# Allegro board buddy_lay_rev1.brd (continued)
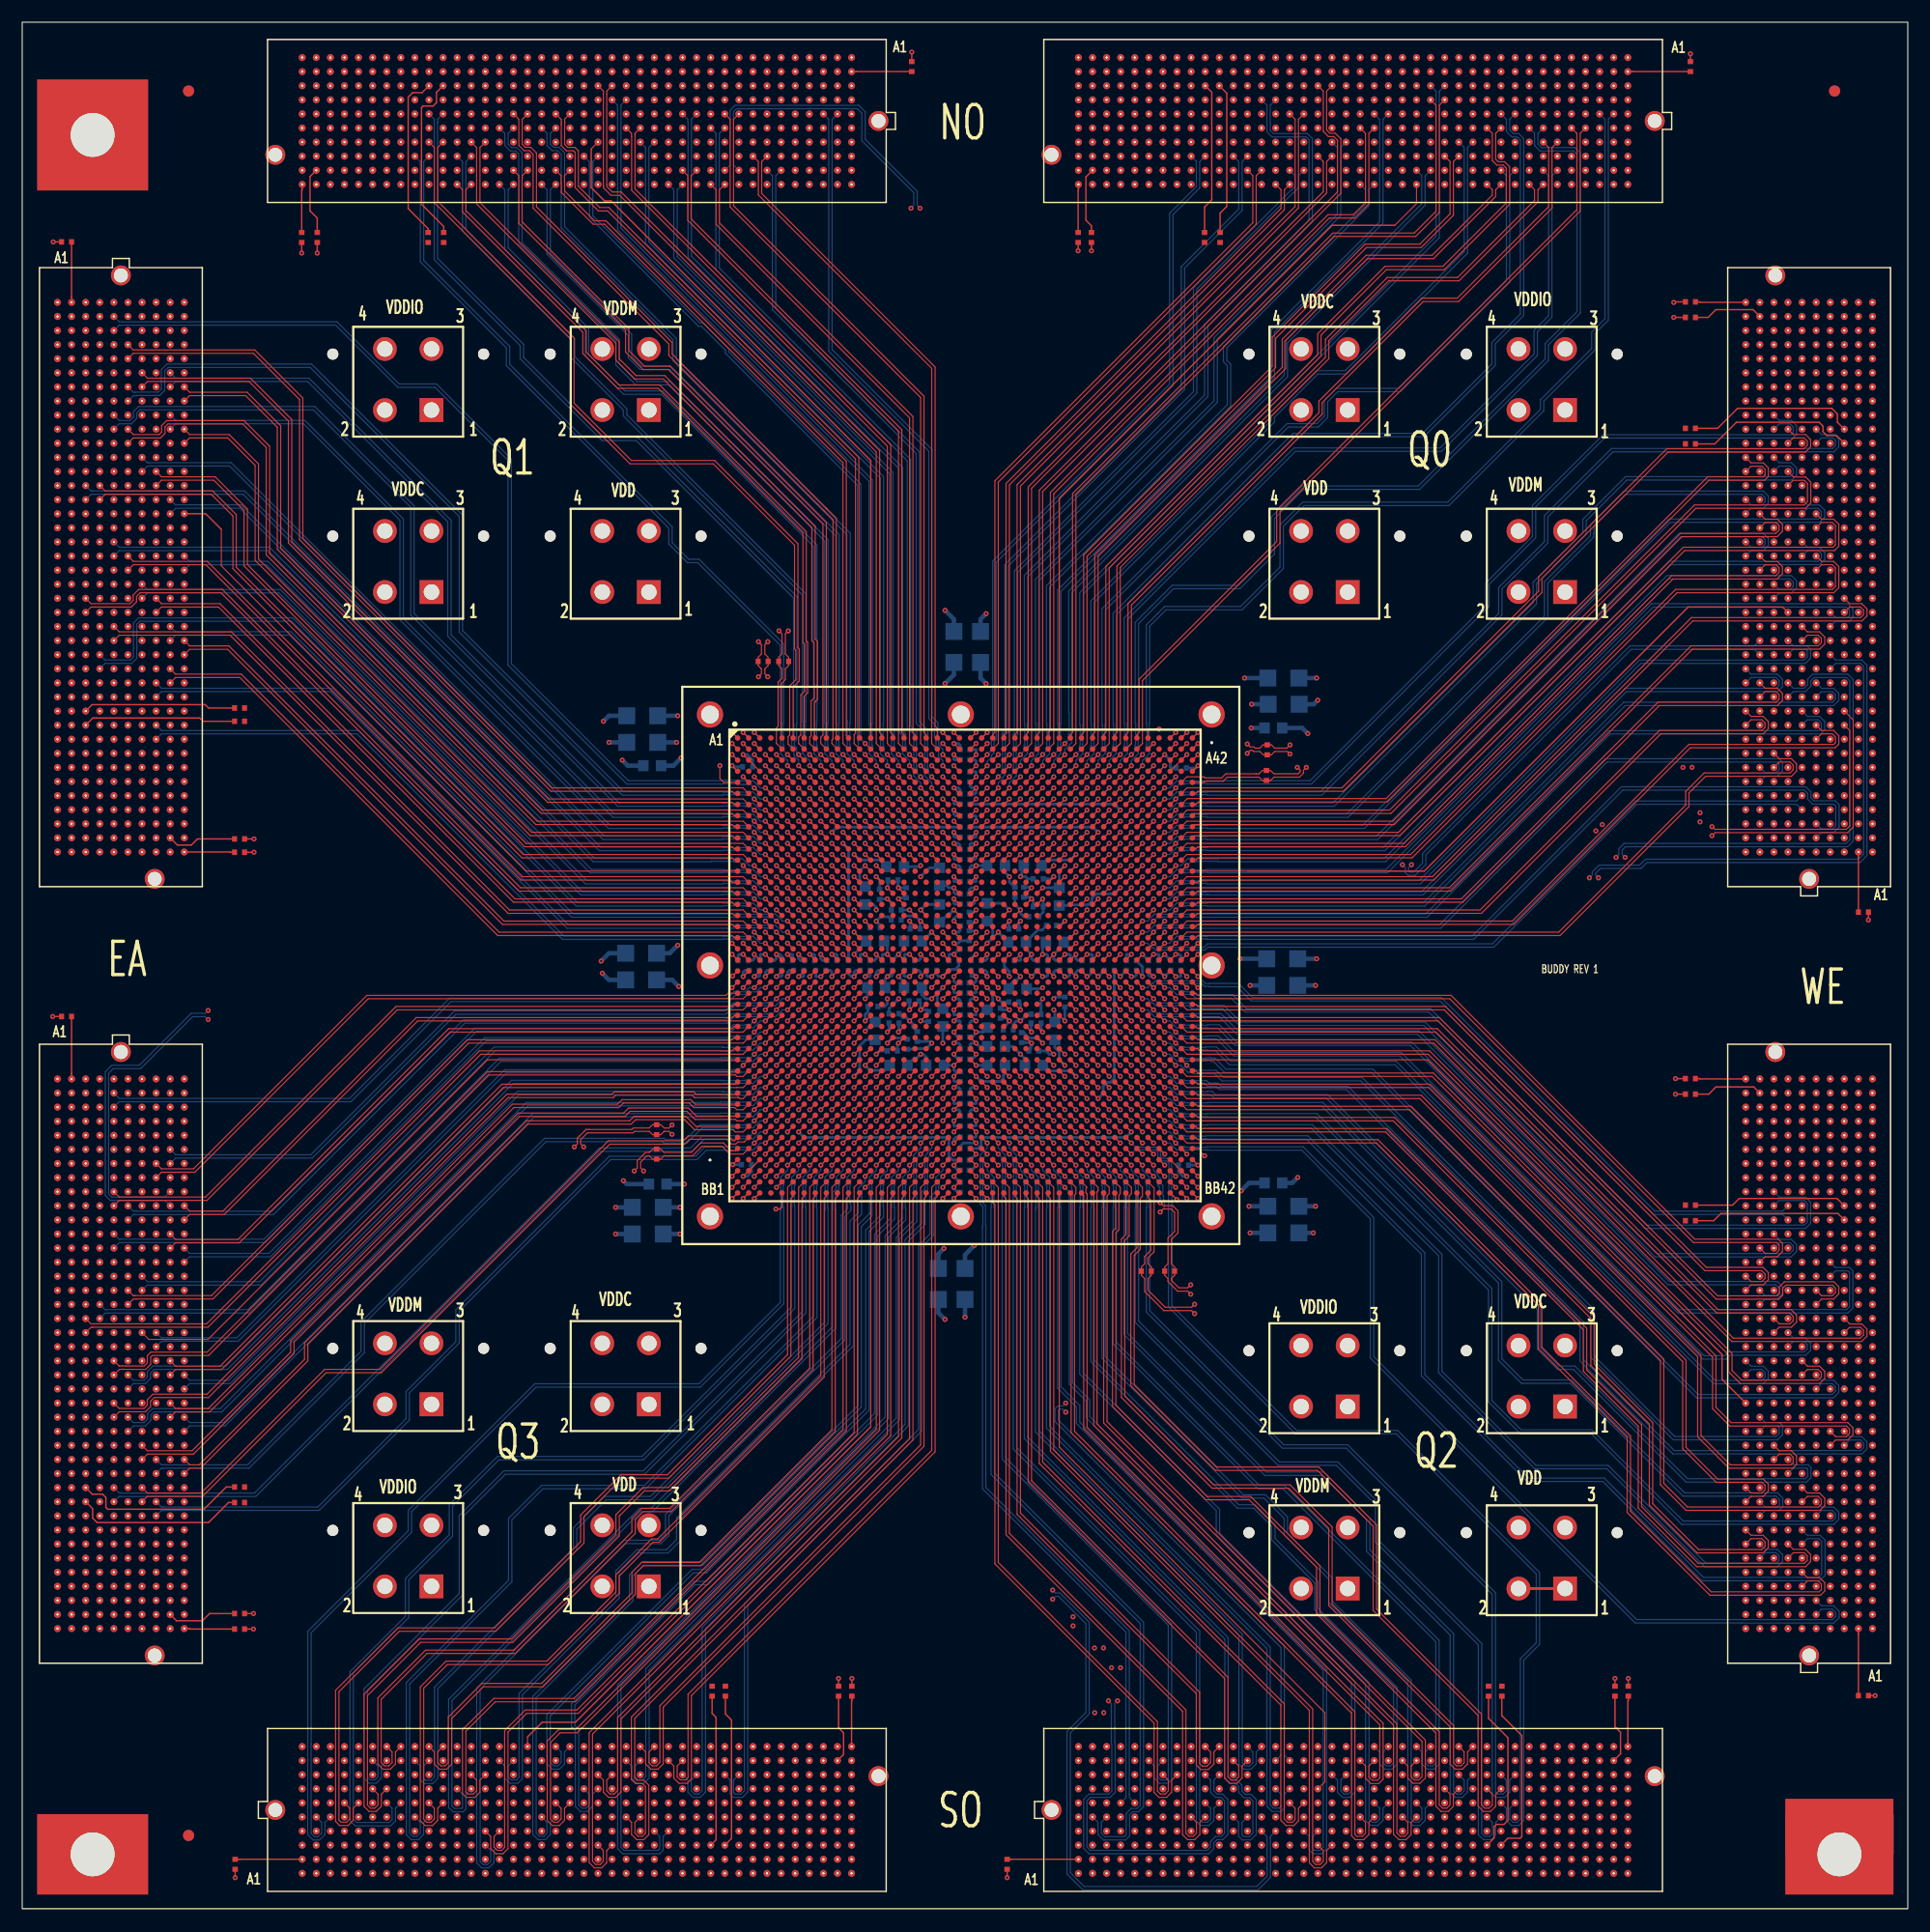
[diagram p0: board, top side]
## Routing (per net, layer and track width the routed paths; a pad name or vN(x,y) marks a point on that pad's centre or on a via; arc(x,y) is an arc through that point) (continued)
NO_N14: length 73.8
  TOP w0.127: U1.C33 v1(97,104)
  BOTTOM w0.102: J2.J10 133.81,156.17 133.81,155.9 133.81,155.9 133.81,146.69 124.12,137 118.47,137 117.4,135.93 117.4,134.5 116.72,133.82 114.03,133.82 97.35,117.14 97.35,106.71 97.38,106.67 97.38,106.57 97.38,104.64 97.45,104.57 97.45,104.43 97.33,104.31 97.33,104.3 97.3,104.3 v1(97,104)
NO_N15: length 68.5
  TOP w0.102: U1.A33 96.5,105.8 96.7,106 96.7,122 113.6,138.9 113.6,141.43 121.17,149 127.12,149 132.54,154.42 132.54,154.9 J2.K11
NO_N16: length 78.7
  TOP w0.127: U1.G32 v1(96,100)
  SIGNAL_L3 w0.081: v1(96,100) 96.34,100.34 96.34,100.78 96.37,100.81 96.37,107.07 96.34,107.11 96.34,118.49 117.9,140.05 117.9,141.3 121.99,145.39 122.94,145.39 131.27,153.72 131.27,158.09 130.98,158.38 130.48,158.38 129.99,158.88 129.99,161.27 129.52,161.74
NO_N17: length 82.8
  TOP w0.127: U1.E32 v1(96,102)
  SIGNAL_L12 w0.081: v1(96,102) 96.33,102.33 96.33,102.77 96.37,102.8 96.37,102.84 96.37,102.85 96.37,107.3 96.33,107.34 96.33,123.69 104.14,131.5 118.56,131.5 129.97,142.91 129.97,156.84 129.71,157.11 129.1,157.11 128.72,157.5 128.72,160 J2.F14
NO_N18: length 71.7
  TOP w0.127: U1.C32 v1(96,104)
  BOTTOM w0.102: v1(96,104) 96.32,104.32 96.32,104.78 96.38,104.84 96.38,106.8 96.35,106.83 96.35,117.85 112.6,134.1 112.6,134.51 116.69,138.6 119.28,138.6 130,149.32 130,158.44 130,158.44 130,158.71 J2.G13
NO_N19: length 69.3
  TOP w0.102: U1.A32 95.5,105.8 95.7,106 95.7,122 112.7,139 112.7,141.63 121.07,150 126,150 128.73,152.73 128.73,157.44 J2.H14
NO_N20: length 72.6
  TOP w0.127: U1.G31 v1(95,100)
  SIGNAL_L3 w0.081: v1(95,100) 95.34,100.34 95.34,100.78 95.37,100.81 95.37,107.46 95.34,107.5 95.34,118.87 116.52,140.05 116.52,141.82 121.58,146.88 122.43,146.88 129.99,154.44 129.99,156.19 J2.J13
NO_N21: length 76.2
  TOP w0.127: U1.E31 v1(95,102)
  SIGNAL_L12 w0.081: J2.K14 128.72,154.92 128.72,148.07 121.87,141.22 121.87,139.54 120.11,137.78 118.61,137.78 117.07,136.24 117.07,134.12 115.6,132.65 103.58,132.65 95.33,124.4 95.33,107.34 95.37,107.3 95.37,102.85 95.37,102.84 95.37,102.8 95.33,102.77 95.33,102.33 v1(95,102)
NO_N22: length 74.7
  TOP w0.127: U1.C31 v1(95,104)
  BOTTOM w0.102: v1(95,104) 95.32,104.32 95.32,104.78 95.38,104.84 95.38,106.67 95.35,106.71 95.35,118.6 127.46,150.71 127.46,163.52 127.46,163.52 127.46,163.79 J2.C15
NO_N23: length 75.7
  TOP w0.102: U1.A31 94.5,105.8 94.7,106 94.7,127.53 118.17,151 125.5,151 127.46,152.96 127.46,162.52 J2.D15
NO_N24: length 81.4
  TOP w0.127: U1.L30 v1(94,96)
  SIGNAL_L5 w0.081: 125.71,161.74 126.19,161.25 126.19,152.04 117.55,143.4 117.55,139.75 116.1,138.3 113.75,138.3 94.33,118.88 94.33,105.33 94.37,105.29 94.37,96.85 94.32,96.8 94.32,96.32 v1(94,96)
NO_N25: length 77.9
  TOP w0.127: U1.H30 v1(94,99)
  SIGNAL_L10 w0.081: v1(94,99) 94.03,99 94.51,98.52 94.63,98.52 94.74,98.63 95.15,98.63 95.37,98.85 95.37,105.6 95.33,105.64 95.33,122.05 113.19,139.91 113.19,140.89 126.17,153.87 126.17,156.91 125.96,157.12 125.31,157.12 124.91,157.53 124.91,160 J2.F17
NO_N26: length 72.5
  TOP w0.127: U1.F30 v1(94,101)
  SIGNAL_L3 w0.081: J2.G16 126.18,158.73 126.18,154.03 113.4,141.25 113.4,138.65 94.34,119.59 94.34,108.3 94.37,108.26 94.37,101.81 94.34,101.78 94.34,101.34 v1(94,101)
NO_N27: length 75.5
  TOP w0.127: U1.D30 v1(94,103)
  SIGNAL_L12 w0.081: J2.H17 124.91,157.46 124.91,146.26 120.95,142.3 120.95,139.9 119.95,138.9 116.9,138.9 111.75,133.75 103.09,133.75 94.33,124.99 94.33,108.39 94.37,108.35 94.37,103.85 94.37,103.84 94.37,103.8 94.33,103.77 94.33,103.33 v1(94,103)
NO_N28: length 65.9
  TOP w0.102: U1.B30 v1(94,105)
  BOTTOM w0.102: J2.J16 126.17,156.19 126.17,153.62 113.77,141.22 113.77,138.17 94.35,118.75 94.35,107.83 94.38,107.8 94.38,105.84 94.32,105.78 94.32,105.32 v1(94,105)
NO_N29: length 74.8
  TOP w0.127: U1.M29 v1(93,95)
  SIGNAL_L10 w0.081: 93.5,110.5 93.5,95.5 v1(93,95)
  SIGNAL_L10 w0.083: J2.K17 117.95,148.9 116.7,148.9 93.5,125.7 93.5,110.5
NO_N30: length 80.4
  TOP w0.127: U1.K29 v1(93,97)
  SIGNAL_L3 w0.081: v1(93,97) 93.34,97.34 93.34,97.78 93.37,97.81 93.37,105.53 93.34,105.57 93.34,120.29 112.6,139.55 112.6,143.22 122.37,152.99 122.37,163.8 J2.C19
NO_N31: length 79.6
  TOP w0.127: U1.E29 v1(93,102)
  SIGNAL_L12 w0.081: v1(93,102) 93.33,102.33 93.33,102.77 93.37,102.8 93.37,102.84 93.37,102.85 93.37,107.3 93.33,107.34 93.33,125.25 102.96,134.88 111.46,134.88 123.64,147.05 123.64,162.54 J2.D18
NO_N32: length 70.8
  TOP w0.127: U1.C29 v1(93,104)
  BOTTOM w0.102: v1(93,104) 93.32,104.32 93.32,104.78 93.38,104.84 93.38,106.8 93.35,106.83 93.35,118.83 112.6,138.08 112.6,142.23 122.38,152.01 122.38,161.25 121.9,161.74
NO_N33: length 68.4
  TOP w0.102: J2.F20 121.11,159.98 121.11,153.76 120,152.65 117.72,152.65 92.7,127.63 92.7,106.2 92.5,106 U1.A29
NO_N34: length 76.7
  TOP w0.127: U1.L28 v1(92,96)
  SIGNAL_L5 w0.081: v1(92,96) 92.32,96.32 92.32,96.8 92.37,96.85 92.37,105.3 92.41,105.33 92.41,110.43 92.33,110.5 92.33,125.08 122.37,155.12 122.37,158.47 122.37,158.47 122.37,158.73 J2.G19
NO_N35: length 72.9
  TOP w0.127: U1.J28 v1(92,98)
  SIGNAL_L3 w0.081: v1(92,98) 92.34,98.34 92.34,98.78 92.37,98.81 92.37,105.35 92.34,105.38 92.34,105.66 92.34,125.65 121.1,154.41 121.1,154.55 121.1,157.46 J2.H20
NO_N36: length 72.3
  TOP w0.127: U1.E28 v1(92,102)
  SIGNAL_L12 w0.081: J2.J19 122.37,156.19 122.37,151.03 113.1,141.77 113.1,139.4 109.38,135.68 102.31,135.68 92.33,125.7 92.33,107.34 92.37,107.3 92.37,102.85 92.37,102.84 92.37,102.8 92.33,102.77 92.33,102.33 v1(92,102)
NO_N37: length 64.7
  TOP w0.127: U1.C28 v1(92,104)
  BOTTOM w0.102: v1(92,104) 92.33,104.33 92.33,104.67 92.38,104.73 92.38,106.74 92.35,106.77 92.35,119.23 108.65,135.53 108.65,139.06 108.3,139.41 108.3,140.77 121.11,153.58 121.11,154.63 121.11,154.63 121.11,154.9 J2.K20
NO_N38: length 71
  TOP w0.102: J2.C23 117.3,163.79 117.3,160.16 117.77,159.69 118.25,159.69 118.58,159.36 118.58,154.71 91.7,127.83 91.7,106 91.5,105.8 U1.A28
NO_N39: length 79.9
  TOP w0.127: U1.L27 v1(91,96)
  SIGNAL_L10 w0.081: J2.D21 119.83,162.54 119.83,153.78 91.34,125.29 91.34,110.5 91.41,110.43 91.41,105.41 91.37,105.37 91.37,96.67 91.35,96.64 91.35,96.35 v1(91,96)
NO_N40: length 77.4
  TOP w0.127: U1.J27 v1(91,98)
  SIGNAL_L3 w0.081: 118.09,161.74 118.57,161.25 118.57,160.14 119.03,159.68 119.52,159.68 119.81,159.38 119.81,154.88 91.34,126.4 91.34,105.38 91.37,105.35 91.37,98.81 91.34,98.78 91.34,98.34 v1(91,98)
NO_N41: length 73.5
  TOP w0.127: U1.G27 v1(91,100)
  SIGNAL_L12 w0.081: v1(91,100) 91.33,100.33 91.33,100.77 91.37,100.8 91.37,100.84 91.37,100.85 91.37,105.3 91.33,105.34 91.33,126.2 101.76,136.63 103.76,136.63 117.29,150.15 117.29,160 J2.F23
NO_N42: length 67.5
  TOP w0.127: U1.C27 v1(91,104)
  BOTTOM w0.102: v1(91,104) 91.32,104.32 91.32,104.78 91.38,104.84 91.38,106.8 91.35,106.83 91.35,119.78 107.45,135.88 107.45,141.58 118.57,152.7 118.57,158.71 J2.G22
NO_N43: length 63.7
  TOP w0.102: J2.H23 117.3,157.44 117.3,154.73 90.7,128.13 90.7,106 90.5,105.8 U1.A27
NO_N44: length 73.4
  TOP w0.127: U1.L26 v1(90,96)
  SIGNAL_L5 w0.081: J2.J22 118.56,156.19 118.56,153.56 90.33,125.33 90.33,110.5 90.41,110.43 90.41,105.33 90.37,105.3 90.37,96.85 90.32,96.8 90.32,96.32 v1(90,96)
NO_N45: length 69.6
  TOP w0.127: U1.J26 v1(90,98)
  SIGNAL_L3 w0.081: v1(90,98) 90.34,98.34 90.34,98.78 90.37,98.81 90.37,105.35 90.34,105.38 90.34,127.65 117.3,154.62 117.3,154.9 J2.K23
NO_N46: length 78.9
  TOP w0.127: U1.G26 v1(90,100)
  SIGNAL_L12 w0.081: v1(90,100) 90.33,100.33 90.33,100.77 90.37,100.8 90.37,100.84 90.37,100.85 90.37,105.3 90.33,105.34 90.33,127.15 100.71,137.53 103.11,137.53 114.73,149.15 114.73,159.38 114.44,159.68 112.68,159.68 112.22,160.14 112.22,163.79 J2.C27
NO_N47: length 74.1
  TOP w0.127: U1.C26 v1(90,104)
  BOTTOM w0.102: J2.D27 112.22,162.52 112.22,160.12 112.68,159.66 115.74,159.66 116.01,159.39 116.01,152.2 106.6,142.78 106.6,136.4 90.35,120.15 90.35,106.83 90.38,106.8 90.38,104.84 90.32,104.78 90.32,104.32 v1(90,104)
NO_N48: length 66.9
  TOP w0.102: U1.A26 89.5,105.8 89.7,106 89.7,128.33 114.76,153.39 114.76,161.25 114.28,161.74
NO_N49: length 92.2
  TOP w0.127: U1.L25 v1(89,96)
  SIGNAL_L3 w0.081: J2.F26 113.47,160.93 113.47,161.92 113.2,162.19 112.82,162.19 112.52,161.9 112.52,161.41 112.06,160.94 93.03,160.94 87.66,155.58 87.66,106.77 87.63,106.74 87.63,96.74 87.74,96.63 88.15,96.63 88.28,96.76 88.63,96.76 89,96.39 v1(89,96)
NO_N50: length 72.8
  TOP w0.127: U1.J25 v1(89,98)
  SIGNAL_L3 w0.081: J2.G25 114.75,158.73 114.75,154.96 89.32,129.54 89.32,105.43 89.37,105.38 89.37,104.85 89.36,104.84 89.36,104.16 89.37,104.15 89.37,103.85 89.36,103.84 89.36,103.16 89.37,103.15 89.37,102.85 89.36,102.84 89.36,102.16 89.37,102.15 89.37,101.85 89.36,101.84 89.36,101.16 89.37,101.15 89.37,100.85 89.36,100.84 89.36,100.16 89.37,100.15 89.37,99.85 89.36,99.84 89.36,99.16 89.37,99.15 89.37,98.85 89.36,98.84 89.36,98.82 89.33,98.79 89.33,98.33 v1(89,98)
NO_N51: length 70.9
  TOP w0.127: U1.G25 v1(89,100)
  SIGNAL_L12 w0.081: v1(89,100) 89.33,100.33 89.33,100.77 89.37,100.8 89.37,100.84 89.37,100.85 89.37,105.3 89.33,105.34 89.33,128.4 99.38,138.45 102.58,138.45 113.48,149.34 113.48,157.46 J2.H26
NO_N52: length 66.3
  TOP w0.127: U1.E25 v1(89,102)
  BOTTOM w0.102: v1(89,102) 89.32,102.32 89.32,102.78 89.38,102.84 89.38,105.49 89.35,105.52 89.35,105.83 89.45,105.93 89.45,120.56 105.6,136.71 105.6,146.08 114.44,154.92 114.47,154.92 114.74,155.19 114.74,155.23 114.77,155.25 114.77,156.16 J2.J25
NO_N53: length 60.4
  TOP w0.102: J2.K26 113.49,154.9 113.49,153.22 88.7,128.43 88.7,106 88.5,105.8 U1.A25
NO_N54: length 92.1
  TOP w0.127: U1.L24 v1(88,96)
  SIGNAL_L3 w0.081: v1(88,96) 87.67,95.67 87.46,95.67 87.42,95.63 86.85,95.63 86.63,95.85 86.63,106.28 86.85,106.5 86.85,108.59 86.89,108.63 86.89,108.96 86.35,109.5 86.35,155.78 94.03,163.46 110.66,163.46 110.92,163.19 110.92,162.19 110.47,161.74
NO_N55: length 72.4
  TOP w0.127: U1.J24 v1(88,98)
  SIGNAL_L3 w0.081: J2.F29 109.67,160 109.67,153.73 88.32,132.39 88.32,105.43 88.37,105.38 88.37,104.85 88.36,104.84 88.36,104.16 88.37,104.15 88.37,103.85 88.36,103.84 88.36,103.16 88.37,103.15 88.37,102.85 88.36,102.84 88.36,102.16 88.37,102.15 88.37,101.85 88.36,101.84 88.36,101.16 88.37,101.15 88.37,100.85 88.36,100.84 88.36,100.16 88.37,100.15 88.37,99.85 88.36,99.84 88.36,99.16 88.37,99.15 88.37,98.85 88.36,98.84 88.36,98.82 88.33,98.79 88.33,98.33 v1(88,98)
NO_N56: length 73.1
  TOP w0.127: U1.G24 v1(88,100)
  SIGNAL_L12 w0.081: v1(88,100) 88.33,100.33 88.33,100.77 88.37,100.8 88.37,100.84 88.37,100.85 88.37,105.3 88.33,105.34 88.33,129.61 98.36,139.64 102.02,139.64 112.22,149.83 112.22,156.82 111.9,157.14 111.41,157.14 110.95,157.6 110.95,158.71 J2.G28
NO_N57: length 65.9
  TOP w0.127: U1.E24 v1(88,102)
  BOTTOM w0.102: v1(88,102) 88.03,101.97 88.08,101.97 88.08,102.08 88.38,102.38 88.38,105.15 88.35,105.18 88.35,105.93 88.6,106.18 88.6,121.12 104.5,137.02 104.5,147.98 109.68,153.16 109.68,157.44 J2.H29
NO_N58: length 61.1
  TOP w0.102: J2.J28 110.95,156.17 110.95,151.93 87.7,128.68 87.7,106 87.5,105.8 U1.A24
NO_N59: length 73.7
  TOP w0.127: U1.L23 v1(87,96)
  SIGNAL_L12 w0.081: v1(87,96) 87.36,96.36 87.36,96.66 87.37,96.68 87.37,98.15 87.15,98.37 86.7,98.37 86.37,98.7 86.37,106.34 86.33,106.38 86.33,106.65 86.67,106.99 86.67,108.76 86.17,109.26 86.17,131.67 96.83,142.33 101.01,142.33 109.67,150.98 109.67,154.92 J2.K29
NO_N60: length 74.2
  TOP w0.127: U1.J23 v1(87,98)
  SIGNAL_L10 w0.081: v1(87,98) 87.33,97.67 87.81,97.67 87.85,97.63 87.87,97.63 87.87,97.63 88.15,97.63 88.37,97.85 88.37,105.59 88.34,105.63 88.34,127.44 107.13,146.23 107.13,161.27 106.66,161.74
NO_N61: length 78.6
  TOP w0.127: U1.G23 v1(87,100)
  SIGNAL_L12 w0.081: v1(87,100) 87.33,100.33 87.33,100.77 87.37,100.8 87.37,100.84 87.37,100.85 87.37,105.3 87.33,105.34 87.33,105.7 87.42,105.79 87.42,131.09 97.24,140.91 101.54,140.91 111.07,150.44 111.07,154.8 110.92,154.95 110.92,155.57 110.66,155.84 106.24,155.84 105.86,156.23 105.86,160 J2.F32
NO_N62: length 67.7
  TOP w0.127: U1.E23 v1(87,102)
  SIGNAL_L5 w0.081: J2.G31 107.13,158.73 107.13,148.84 88.34,130.05 88.34,105.48 88.37,105.44 88.37,101.75 88.25,101.63 87.78,101.63 87.74,101.67 87.33,101.67 v1(87,102)
NO_N63: length 62.7
  TOP w0.127: U1.C23 v1(87,104)
  BOTTOM w0.102: v1(87,104) 87.27,104.27 87.3,104.27 87.38,104.35 87.38,105.29 87.5,105.41 87.5,121.44 103.45,137.39 103.45,152.78 105.85,155.19 105.85,157.46 J2.H32
NO_N64: length 63.9
  TOP w0.127: U1.D20 v1(83,103)
  BOTTOM w0.102: 72.23,161.74 72.72,161.25 72.72,140.36 81.74,131.34 81.74,107.26 82.25,106.75 82.25,105.57 82.35,105.47 82.35,105.26 82.38,105.23 82.38,104.74 82.62,104.51 82.62,103.84 83,103.46 v1(83,103)
NO_N65: length 66.2
  TOP w0.127: U1.F20 v1(83,101)
  SIGNAL_L10 w0.081: J1.F5 70.16,160 70.16,142.47 81.33,131.3 81.33,105.58 81.37,105.54 81.37,101.74 81.74,101.37 82.37,101.37 82.41,101.33 82.67,101.33 v1(83,101)
NO_N66: length 71.8
  TOP w0.127: U1.H20 v1(83,99)
  SIGNAL_L12 w0.081: 67.15,161.74 67.61,161.28 67.61,160.28 67.34,160.01 66.69,160.01 66.34,159.66 66.34,156.35 66.85,155.84 67.34,155.84 67.61,155.57 67.61,146.2 82.13,131.68 82.13,105.82 82.34,105.61 82.34,105.39 82.37,105.35 82.37,100.8 82.34,100.77 82.34,100.19 82.63,99.9 82.63,99.82 83,99.45 v1(83,99)
NO_N67: length 72.4
  TOP w0.127: U1.K20 v1(83,97)
  SIGNAL_L10 w0.081: v1(83,97) 82.67,97.33 82.28,97.33 82.25,97.37 80.74,97.37 80.37,97.74 80.37,105.29 80.34,105.33 80.34,129.75 66.35,143.73 66.35,160 J1.F8
NO_N68: length 73.6
  TOP w0.127: U1.M20 v1(83,95)
  SIGNAL_L12 w0.081: v1(83,95) 83,95.48 82.63,95.85 82.63,95.9 82.31,96.22 82.31,96.66 82.37,96.73 82.37,98.26 82.74,98.63 83.2,98.63 83.37,98.8 83.37,106.24 83.34,106.28 83.34,106.5 82.95,106.88 82.95,108.65 83.75,109.45 83.75,132.1 68.88,146.97 68.88,156.84 68.59,157.14 68.1,157.14 67.62,157.61 67.62,158.73 J1.G7
NO_N69: length 60.3
  TOP w0.102: J1.H8 66.37,157.44 66.37,154.43 82,138.8 82,105 U1.B19
NO_N70: length 62.5
  TOP w0.127: U1.F19 v1(82,101)
  BOTTOM w0.102: v1(82,101) 82,101.46 81.37,102.09 81.37,102.54 81.38,102.56 81.38,105.52 81.35,105.56 81.35,106.07 80.6,106.82 80.6,131.13 67.64,144.09 67.64,156.17 J1.J7
NO_N71: length 63.8
  TOP w0.127: U1.H19 v1(82,99)
  SIGNAL_L12 w0.081: v1(82,99) 82,99.45 81.63,99.82 81.63,99.9 81.34,100.19 81.34,100.77 81.37,100.8 81.37,105.3 81.34,105.34 81.34,129.47 66.35,144.46 66.35,154.92 J1.K8
NO_N72: length 79.6
  TOP w0.127: U1.K19 v1(82,97)
  SIGNAL_L3 w0.081: v1(82,97) 82,97.48 81.85,97.63 81.85,97.63 81.63,97.85 81.63,97.85 81.6,97.88 81.6,97.93 81.34,98.19 81.34,98.78 81.37,98.81 81.37,99.26 81.38,99.27 81.38,99.73 81.37,99.74 81.37,100.26 81.38,100.27 81.38,100.73 81.37,100.74 81.37,101.26 81.38,101.27 81.38,101.73 81.37,101.74 81.37,102.26 81.38,102.27 81.38,102.73 81.37,102.74 81.37,103.26 81.38,103.27 81.38,103.73 81.37,103.74 81.37,104.26 81.38,104.27 81.38,104.73 81.37,104.74 81.37,105.38 81.35,105.41 81.35,142.7 70.6,153.45 65.4,153.45 63.8,155.05 63.8,159.38 63.53,159.65 63.04,159.65 62.56,160.14 62.56,163.79 J1.C11
NO_N73: length 90.6
  TOP w0.127: U1.M19 v1(82,95)
  SIGNAL_L3 w0.081: J1.D9 65.1,163.49 65.1,164.6 65.56,165.06 78.79,165.06 84.35,159.5 84.35,109.4 83.88,108.93 83.83,108.93 83.2,108.3 83.2,106.78 83.63,106.35 83.63,95.74 83.26,95.37 82.55,95.37 82.51,95.33 82.33,95.33 v1(82,95)
NO_N74: length 64.8
  TOP w0.102: 63.34,161.74 63.83,161.25 63.83,153.34 81,136.17 81,105 U1.B18
NO_N75: length 68
  TOP w0.127: U1.F18 v1(81,101)
  BOTTOM w0.102: v1(81,101) 81,101.46 80.37,102.09 80.37,102.54 80.38,102.56 80.38,105.49 80.35,105.52 80.35,105.87 79.8,106.42 79.8,130.47 62.55,147.72 62.55,159.83 62.56,159.84 62.56,159.98 J1.F11
NO_N76: length 68.2
  TOP w0.127: U1.H18 v1(81,99)
  SIGNAL_L12 w0.081: v1(81,99) 81,99.45 80.63,99.82 80.63,99.9 80.34,100.19 80.34,100.77 80.37,100.8 80.37,105.3 80.34,105.34 80.34,129.12 63.81,145.65 63.81,158.73 J1.G10
NO_N77: length 72.9
  TOP w0.127: U1.K18 v1(81,97)
  SIGNAL_L3 w0.081: J1.H11 62.54,157.46 62.54,157.34 62.53,157.33 62.53,154.12 64.05,152.6 69.85,152.6 80.35,142.1 80.35,105.46 80.37,105.43 80.37,101.52 80.37,101.52 80.37,100.74 80.37,100.74 80.37,98.81 80.34,98.78 80.34,98.19 80.6,97.93 80.6,97.88 80.63,97.85 80.63,97.85 80.85,97.63 80.85,97.63 81,97.48 v1(81,97)
NO_N78: length 89.9
  TOP w0.127: U1.M18 v1(81,95)
  SIGNAL_L3 w0.081: v1(81,95) 81,95.48 81.37,95.85 81.37,96.03 81.64,96.3 81.77,96.3 81.85,96.37 82.09,96.37 82.09,96.37 82.37,96.37 82.63,96.63 82.63,106.74 82.67,106.77 82.67,149.13 80.7,151.1 80.7,152.99 v1(80.94,153.24)
  BOTTOM w0.102: v1(80.94,153.24) 80.69,153.49 80.69,154.76 76,159.45 76,161.93 75.42,162.51 64.28,162.51 63.83,162.06 63.83,157.14 J1.J10
NO_N79: length 58.5
  TOP w0.102: U1.B17 80,105 80,134.34 62.56,151.78 62.56,154.9 J1.K11
NO_N80: length 67.9
  TOP w0.127: U1.D17 v1(80,103)
  BOTTOM w0.102: 59.53,161.74 60.02,161.25 60.02,160.98 60.03,160.97 60.03,148.79 79.05,129.77 79.05,106.05 79.35,105.75 79.35,105.4 79.38,105.37 79.38,104.56 79.37,104.54 79.37,104.09 80,103.46 v1(80,103)
NO_N81: length 71.2
  TOP w0.127: U1.H17 v1(80,99)
  SIGNAL_L12 w0.081: v1(80,99) 80,99.45 79.63,99.82 79.63,99.9 79.34,100.19 79.34,100.77 79.37,100.8 79.37,105.3 79.34,105.34 79.34,128.53 58.73,149.14 58.73,160 J1.F14
NO_N82: length 75.3
  TOP w0.127: U1.K17 v1(80,97)
  SIGNAL_L3 w0.081: J1.G13 60,158.73 60,158.61 59.99,158.6 59.99,154.19 62.43,151.75 69.1,151.75 79.33,141.52 79.33,105.38 79.37,105.35 79.37,98.82 79.33,98.78 79.33,98.2 79.6,97.93 79.6,97.88 79.63,97.85 79.63,97.85 79.85,97.63 79.85,97.63 80,97.48 v1(80,97)
NO_N83: length 72.7
  TOP w0.127: U1.M17 v1(80,95)
  SIGNAL_L5 w0.081: v1(80,95) 79.37,95.63 79.37,96.46 79.41,96.49 79.41,96.71 79.37,96.74 79.37,105.48 79.34,105.52 79.34,131.5 58.73,152.1 58.73,157.46 J1.H14
NO_N84: length 60.4
  TOP w0.102: U1.B16 79,105 79,133.15 60,152.15 60,156.19 J1.J13
NO_N85: length 61.7
  TOP w0.127: U1.D16 v1(79,103)
  BOTTOM w0.102: v1(79,103) 79,103.46 78.37,104.09 78.37,104.54 78.38,104.56 78.38,106.02 78.2,106.2 78.2,129.31 58.75,148.76 58.75,154.9 J1.K14
NO_N86: length 75.1
  TOP w0.127: U1.H16 v1(79,99)
  SIGNAL_L12 w0.081: v1(79,99) 79,99.45 78.63,99.82 78.63,99.9 78.34,100.19 78.34,100.77 78.37,100.8 78.37,105.3 78.34,105.34 78.34,128.19 57.48,149.05 57.48,163.79 J1.C15
NO_N87: length 80.9
  TOP w0.127: U1.K16 v1(79,97)
  SIGNAL_L3 w0.081: J1.D15 57.46,162.54 57.46,162.28 57.47,162.28 57.47,153.06 59.63,150.9 68.2,150.9 78.37,140.73 78.37,105.42 78.37,98.82 78.33,98.78 78.33,98.2 78.6,97.93 78.6,97.88 78.63,97.85 78.63,97.85 78.85,97.63 78.85,97.63 79,97.48 v1(79,97)
NO_N88: length 77.1
  TOP w0.127: U1.M16 v1(79,95)
  SIGNAL_L10 w0.081: 55.72,161.74 56.19,161.27 56.19,152.04 78.33,129.9 78.33,105.38 78.37,105.34 78.37,95.63 v1(79,95)
NO_N89: length 65.9
  TOP w0.102: J1.F17 54.94,159.98 54.94,159.71 54.95,159.7 54.95,154.85 78,131.8 78,105 U1.B15
NO_N90: length 66.1
  TOP w0.127: U1.D15 v1(78,103)
  BOTTOM w0.102: v1(78,103) 78,103.46 77.37,104.09 77.37,104.54 77.38,104.56 77.38,106.8 77.35,106.83 77.35,128.92 56.2,150.07 56.2,158.72 J1.G16
NO_N91: length 67.4
  TOP w0.127: U1.F15 v1(78,101)
  SIGNAL_L12 w0.081: J1.H17 54.92,157.46 54.92,157.34 54.92,157.34 54.92,150.21 77.34,127.79 77.34,107.34 77.37,107.34 77.37,102.8 77.34,102.77 77.34,102.19 77.63,101.9 77.63,101.82 78,101.45 v1(78,101)
NO_N92: length 75
  TOP w0.127: U1.K15 v1(78,97)
  SIGNAL_L3 w0.081: v1(78,97) 78,97.48 77.85,97.63 77.85,97.63 77.63,97.85 77.63,97.85 77.6,97.88 77.6,97.93 77.33,98.2 77.33,98.78 77.37,98.82 77.37,105.42 77.33,105.46 77.33,140.17 67.45,150.05 58.35,150.05 56.19,152.21 56.19,156.19 J1.J16
NO_N93: length 70.9
  TOP w0.127: U1.M15 v1(78,95)
  SIGNAL_L5 w0.081: J1.K17 54.92,154.92 54.92,152.01 77.34,129.6 77.34,105.52 77.37,105.48 77.37,96.74 77.41,96.71 77.41,96.49 77.37,96.46 77.37,95.63 v1(78,95)
NO_N94: length 70.8
  TOP w0.102: J1.C19 52.4,163.79 52.4,163.65 52.4,155.25 52.41,155.24 52.41,155.06 53.08,154.4 53.87,154.4 77,131.27 77,105 U1.B14
NO_N95: length 70.6
  TOP w0.127: U1.D14 v1(77,103)
  BOTTOM w0.102: J1.D18 53.67,162.52 53.67,162.25 53.68,162.24 53.68,151.3 76.35,128.63 76.35,106.83 76.38,106.8 76.38,104.56 76.37,104.54 76.37,104.09 77,103.46 v1(77,103)
NO_N96: length 73
  TOP w0.127: U1.F14 v1(77,101)
  SIGNAL_L12 w0.081: 51.91,161.74 52.37,161.28 52.37,160.66 52.37,160.65 52.37,160.28 52.37,160.27 52.37,160.16 52.86,159.68 53.35,159.68 53.67,159.36 53.67,158.26 53.66,158.25 53.66,157.6 53.67,157.59 53.67,148.96 60.44,142.19 61.82,142.19 63.4,140.61 63.4,136.65 76.34,123.71 76.34,107.34 76.37,107.3 76.37,102.8 76.34,102.77 76.34,102.19 76.63,101.9 76.63,101.82 77,101.45 v1(77,101)
NO_N97: length 81.7
  TOP w0.127: U1.L14 v1(77,96)
  SIGNAL_L3 w0.081: v1(77,96) 77,96.48 76.85,96.63 76.85,96.63 76.63,96.85 76.63,96.85 76.6,96.88 76.6,96.93 76.33,97.2 76.33,97.78 76.37,97.82 76.37,105.49 76.33,105.53 76.33,139.47 66.54,149.26 57.59,149.26 52.37,154.48 52.37,156.84 52.1,157.11 51.61,157.11 51.11,157.61 51.11,160 J1.F20
NO_N98: length 64.7
  TOP w0.102: 76.5,110.5 U1.A13 ; J1.G19 51.3,158.58
  TOP w0.127: 51.3,158.58 51.3,155.1 52.5,153.9 53.1,153.9 76.5,130.5 76.5,110.5
NO_N99: length 65.3
  TOP w0.127: U1.C13 v1(76,104)
  BOTTOM w0.102: v1(76,104) 75.59,104.41 75.56,104.41 75.38,104.59 75.38,105.19 75.3,105.27 75.3,128.27 63.4,140.17 63.4,140.44 61.24,142.6 60.97,142.6 51.14,152.43 51.14,155.71 51.15,155.71 51.15,156.33 51.14,156.33 51.14,156.98 51.15,156.98 51.15,157.15 51.13,157.17 51.13,157.44 J1.H20
NO_N100: length 65.4
  TOP w0.127: U1.E13 v1(76,102)
  SIGNAL_L12 w0.081: v1(76,102) 76,102.45 75.63,102.82 75.63,102.9 75.34,103.19 75.34,103.69 75.37,103.72 75.37,105.63 75.33,105.66 75.33,122.95 58.87,139.41 58.87,141.31 52.37,147.81 52.37,156.2 J1.J19
NO_N101: length 72.3
  TOP w0.127: U1.G13 v1(76,100)
  SIGNAL_L3 w0.081: J1.K20 51.11,154.92 51.11,153.62 56.31,148.42 65.91,148.42 75.33,139 75.33,108.68 75.39,108.63 75.39,108.51 75.34,108.46 75.37,108.43 75.37,101.82 75.33,101.78 75.33,101.2 75.6,100.93 75.6,100.88 75.63,100.85 75.63,100.85 75.85,100.63 75.85,100.63 76,100.48 v1(76,100)
NO_N102: length 81.3
  TOP w0.127: U1.K13 v1(76,97)
  SIGNAL_L10 w0.081: v1(76,97) 76,97.48 75.6,97.88 75.6,98.12 75.52,98.2 75.52,99.12 75.37,99.27 75.37,105.39 75.33,105.43 75.33,128.92 50.13,154.12 48.07,154.12 47.32,154.87 47.32,156.93 47.3,156.95 47.3,163.81 J1.C23
NO_N103: length 79.8
  TOP w0.127: U1.M13 v1(76,95)
  SIGNAL_L5 w0.081: v1(76,95) 76,95.48 75.37,96.1 75.37,96.46 75.41,96.49 75.41,96.71 75.37,96.74 75.37,105.44 75.34,105.48 75.34,128.91 49.84,154.41 49.84,162.54 J1.D21
NO_N104: length 69.6
  TOP w0.102: U1.B12 75,105 75,105.8 75.13,105.93 75.13,130.64 52.77,153 51.94,153 49.84,155.09 49.84,158.28 49.72,158.41 49.06,158.41 48.6,158.87 48.6,160.79 48.61,160.79 48.61,161 48.6,161.24 48.6,161.24 48.1,161.74
NO_N105: length 70.2
  TOP w0.127: U1.D12 v1(75,103)
  BOTTOM w0.102: v1(75,103) 75,103.46 74.37,104.09 74.37,104.54 74.38,104.56 74.38,106.87 74.35,106.9 74.38,106.93 74.38,107.07 74.35,107.1 74.35,123.82 58.68,139.49 58.68,141.37 48.6,151.45 48.6,158.1 48.27,158.42 47.78,158.42 47.32,158.89 47.32,159.98 J1.F23
NO_N106: length 70.1
  TOP w0.127: U1.F12 v1(75,101)
  SIGNAL_L12 w0.081: J1.G22 48.57,158.73 48.57,158.61 48.57,158.61 48.57,150.4 58,140.97 58,139.05 74.34,122.72 74.34,107.34 74.37,107.3 74.37,102.8 74.34,102.77 74.34,102.19 74.63,101.9 74.63,101.82 75,101.45 v1(75,101)
NO_N107: length 77.7
  TOP w0.127: U1.H12 v1(75,99)
  SIGNAL_L3 w0.081: J1.H23 47.3,157.46 47.3,154.3 53.88,147.72 55.89,147.72 55.98,147.63 64.86,147.63 74.33,138.15 74.33,107.42 74.37,107.38 74.37,100.82 74.33,100.78 74.33,100.2 74.6,99.93 74.6,99.88 74.63,99.85 74.63,99.85 74.85,99.63 74.85,99.63 75,99.48 v1(75,99)
NO_N108: length 63.7
  TOP w0.102: U1.B11 74,105 74,130.3 52.5,151.8 51.47,151.8 48.6,154.67 48.6,155.47 48.59,155.48 48.59,156.17 J1.J22
NO_N109: length 65.9
  TOP w0.127: U1.D11 v1(74,103)
  BOTTOM w0.102: J1.K23 47.32,154.9 47.32,149.08 54.65,141.75 54.65,139.75 55.69,138.71 58.34,138.71 73.35,123.7 73.35,106.87 73.38,106.83 73.38,104.56 73.37,104.54 73.37,104.09 74,103.46 v1(74,103)
NO_N110: length 80.5
  TOP w0.127: U1.F11 v1(74,101)
  SIGNAL_L12 w0.081: v1(74,101) 74,101.45 73.63,101.82 73.63,101.9 73.34,102.19 73.34,102.77 73.37,102.8 73.37,107.3 73.34,107.34 73.34,122.33 57.42,138.24 55.11,138.24 53.58,139.77 53.58,142.25 46.02,149.81 46.02,159.38 45.75,159.65 42.7,159.65 42.22,160.13 42.22,163.81 J1.C27
NO_N111: length 86.1
  TOP w0.127: U1.H11 v1(74,99)
  SIGNAL_L3 w0.081: v1(74,99) 74,99.48 73.85,99.63 73.85,99.63 73.63,99.85 73.63,99.85 73.6,99.88 73.6,99.93 73.33,100.2 73.33,100.78 73.37,100.82 73.37,107.35 73.33,107.38 73.33,136.72 63.28,146.77 51.48,146.77 44.75,153.5 44.75,159.38 44.48,159.65 42.72,159.65 42.22,160.15 42.22,162.54 J1.D27
NO_N112: length 69.7
  TOP w0.102: 44.29,161.74 44.78,161.25 44.78,158.89 45.24,158.42 45.73,158.42 46.06,158.09 46.06,153.24 58.3,141 58.3,139.97 72.34,125.93 73.1,125.17 73.1,105.47 73.1,105.47 73.1,105.4 73,105.3 73,105 U1.B10
